# Altium PCB Kasli-DIOT.PCBDOC (part 12 of 21) (continued)
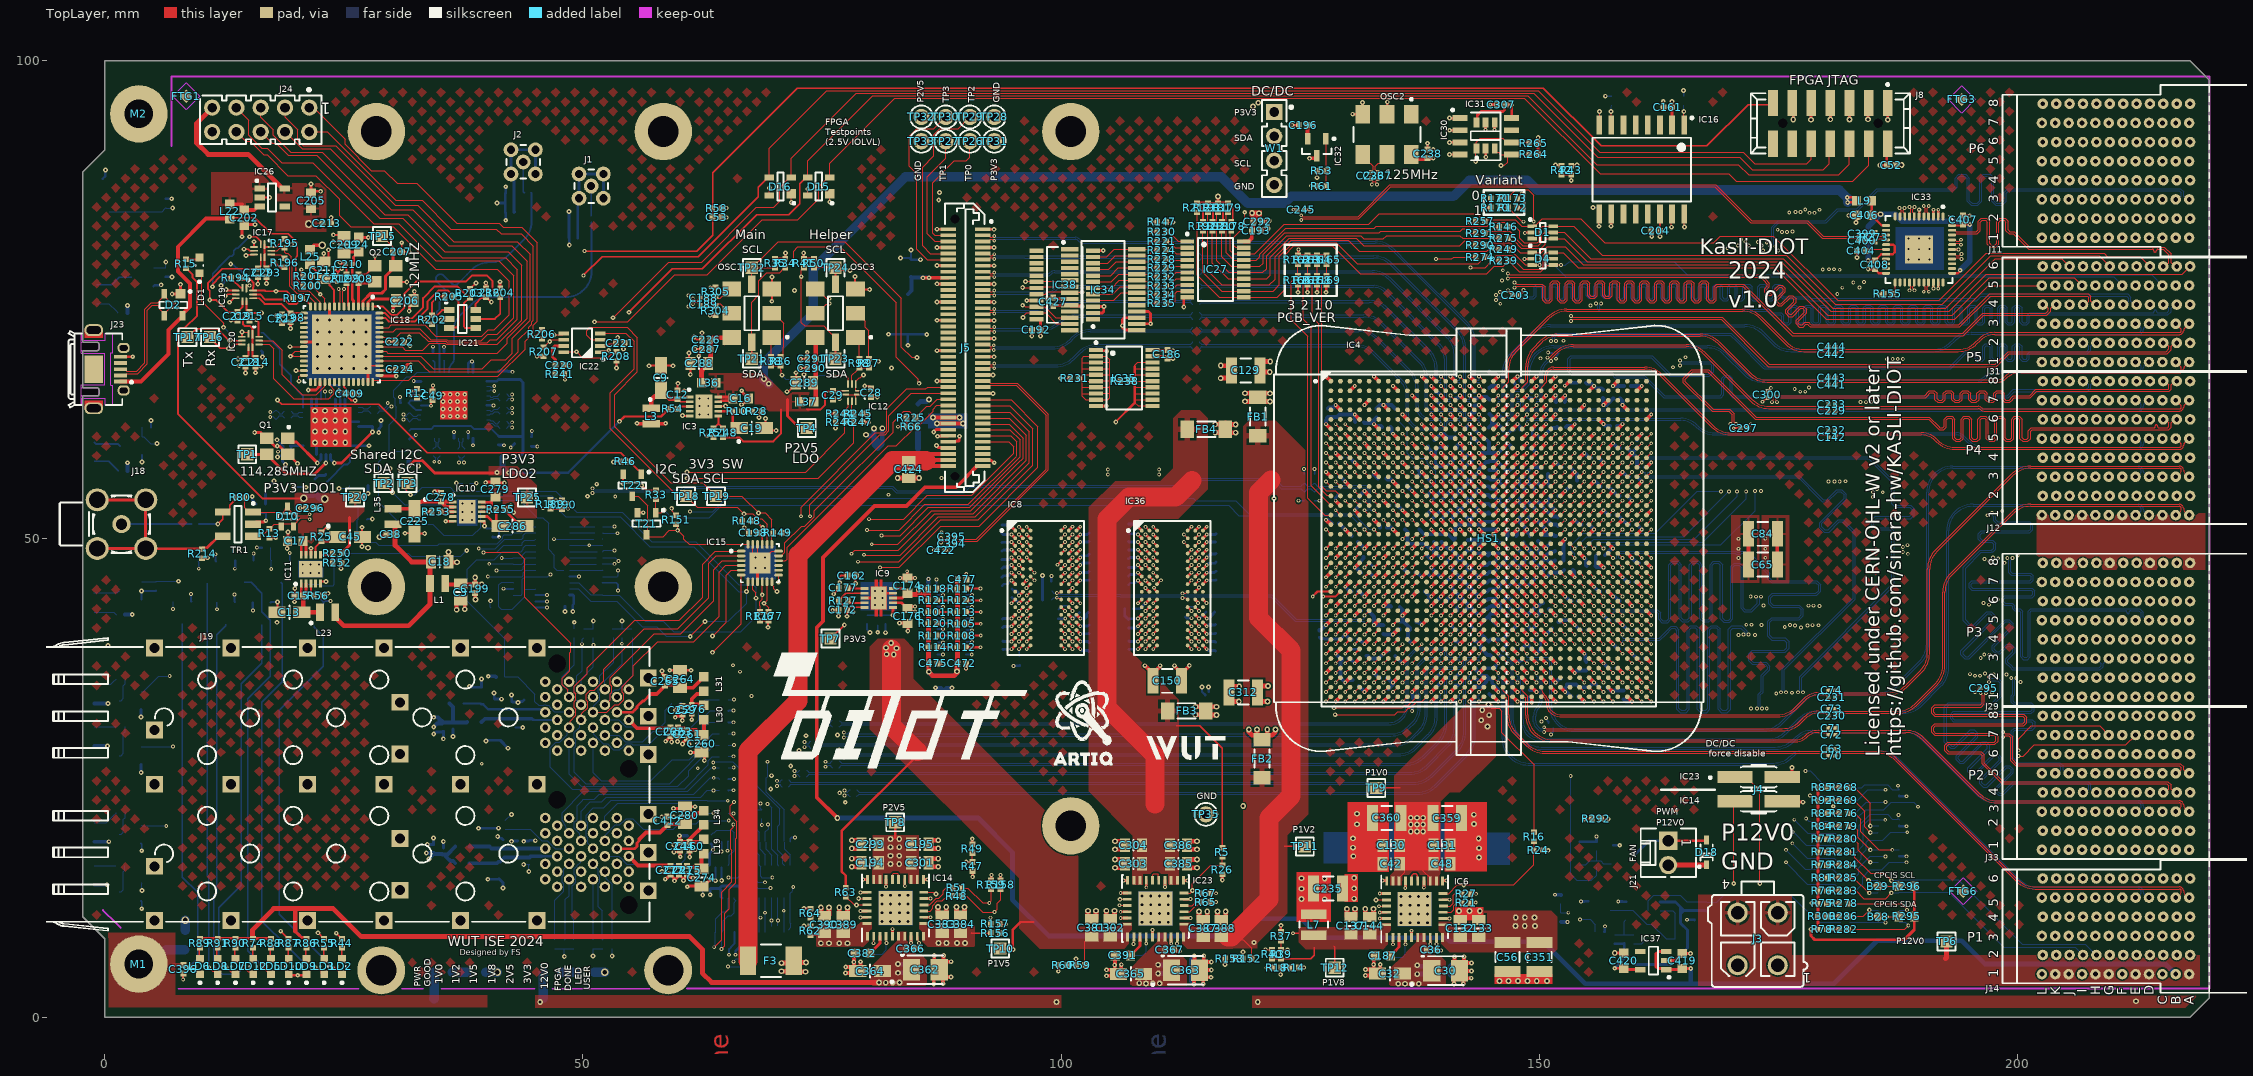
[diagram p0: TopLayer view]
## Nets (pads, with @x,y where several pads share a name; then routed paths per layer and width w, separated by ;. In a path a pad name is that pad's centre, name@x,y a point inside that pad or via, vN(x,y) a via of type N, cw(c..) or ccw(c..) an arc to the next point about the centre after c; other vN are vias at no path point) (continued)
  BottomLayer w0.5: v4(79.6,60.9) 79.627,60.9 79.727,60.8 80.325,60.8 F4.1@80.425,60.7 ; v4(80.425,61.55) F4.1@80.425,60.7 ; v4(81.3,61.575) 81.3,59.925 F4.1@80.825,59.45 ; F4.1@80.425,60.7 80.425,59.85 F4.1@80.825,59.45 ; F4.1@80.425,60.7 80.825,60.3 F4.1@80.825,59.45
  other v2: 53.631,71.067
  other v3: 74.874,7.725 75.724,7.725 76.799,7.725 77.649,7.725
P3V3_ADCLK: C190.2 C191.2 C234.2 C239.2 C241.2 C242.2 C243.2 IC1.12 IC1.34 IC1.44 L29.1 | length 24.6
  BottomLayer w0.2: C191.2@31.875,61.35 32.022,61.497 34.122,61.497 34.45,61.825 38.275,61.825 38.622,61.478 IC1.44@39.95,61.478 39.957,61.471 40.454,61.471 C190.2@41.175,60.75
  BottomLayer w0.254: IC1.34@39.95,66.478 40.976,66.478 C243.2@41.16,66.662
  BottomLayer w0.3: C243.2@41.16,66.662 C234.2@42.1,66.662 43.438,66.662 43.735,66.365 C239.2@43.735,60.692 ; C190.2@41.175,60.75 41.204,60.721 43.706,60.721 C239.2@43.735,60.692 ; L29.1@43.2,58.45 43.717,58.967 C241.2@43.717,59.74 ; C241.2@43.735,59.758 C239.2@43.735,60.692
P3V3_fused: C425.2 F4.2 J5.64 J5.66 | length 9.9
  TopLayer w0.4: v4(86.609,62.69) 86.616,62.697 J5.64@88.2,62.697 89.373,62.697 v4(89.375,62.7) ; v4(87.025,62.075) 87.037,62.062 J5.66@88.2,62.062 89.713,62.062 v4(89.725,62.075)
  BottomLayer w0.6: F4.2@85.025,59.45 C425.2@85.025,62.3 85.037,62.312 86.563,62.312 86.6,62.275
P3V3_LDO1: C17.2 IC11.9 IC11.10 L2.2 R15.2 R22.1 R250.2 TP20.1 | length 44.1
  TopLayer w0.2: R15.2@8.494,78.296 8.514,78.296 9.177,77.633 9.177,77.323 9.65,76.85 9.65,73.35 8.382,72.082 7.958,72.082 7.65,71.774 7.65,63.075 16.475,54.25 v7@20.42,54.25
  TopLayer w0.3: IC11.10@20.55,48.337 20.55,49.625 C17.2@20.725,49.8 21.05,49.475 IC11.9@21.05,48.337 ; R250.2@24.773,48.515 24.773,48.535 25.586,49.348 25.586,52.233
  BottomLayer w0.2: v7(23,54.175) 23.031,54.206 23.031,54.866 23.221,55.056 R22.1@23.241,55.056
  BottomLayer w0.6: v7(20.8,54.25) 20.854,54.25 21.18,54.576 21.771,54.576 L2.2@21.971,54.776 22.534,54.213 22.962,54.213 v7(23,54.175)
P3V3_LDO2: C279.2 IC10.9 IC10.10 L29.2 R4.2 R54.1 R242.2 R254.2 TP25.1 | length 46.5
  TopLayer w0.25: IC10.9@39.4,53.35 39.425,53.375 40.278,53.375 40.45,53.547 C279.2@40.45,54.023 ; IC10.10@39.4,53.85 40.436,53.85 ; v2(53.825,62.3) 54.335,62.81 58.16,62.81 58.93,63.58 R54.1@58.93,63.6
  TopLayer w0.3: v2(31.791,57.601) 32.39,58.2 33.2,58.2 34.5,56.9 40.569,56.9
  Layer 5 w0.3: v1(30.875,64.85) 31.791,63.934 v2(31.791,57.601)
  BottomLayer w0.25: v1(30.875,64.85) 30.903,64.822 30.903,64.253 R4.2@30.93,64.225 ; R254.2@40.943,52.947 41.108,52.782 41.267,52.782 41.275,52.775 v2(42.766,52.775) ; v2(42.2,56.925) 48.45,56.925 v2(53.825,62.3)
  BottomLayer w0.5: v2(31.791,57.601) 31.791,58.221 R242.2@31.8,58.23 ; v2(41.025,56.95) 41.525,57.45 41.525,58.575 41.65,58.7 41.675,58.675 41.675,57.45 v2(42.2,56.925)
P3V3_MP: C397.2 C420.2 IC37.5 R93.2 R258.2 R259.2 | length 24.6
  TopLayer w0.3: v2(157.881,5.115) C420.2@158.81,5.115 158.96,4.965 IC37.5@160.56,4.965
  BottomLayer w0.3: v2@157.881,5.141 159.115,6.375 ; R93.2@157.91,7.679 158.865,7.679 C397.2@158.875,7.689 158.875,6.7 159.157,6.418 159.285,6.29 160.075,5.5 163.736,5.5 165.475,7.239 165.475,9.106 164.753,9.828 164.753,10.82 ; R259.2@162.625,12.045 164.222,12.045 164.753,11.514 ; R258.2@167.48,11.088 167.401,11.167 165.1,11.167 ; 164.753,10.82 164.753,11.514 ; 164.753,10.82 165.1,11.167 ; 164.753,11.514 165.1,11.167
P3V3_USB: C205.2 C213.2 C214.2 C215.2 C216.2 C222.2 C223.2 C224.2 C293.2 C409.2 IC17.1 IC17.7 IC17.10 IC18.16 IC18.36 IC18.44 IC18.50 IC19.7 IC19.10 IC20.1 IC20.7 IC21.6 IC26.5 J24.9 L24.1 L25.1 R194.2 R195.2 R196.2 R197.2 R198.2 R202.2 R203.2 R204.2 R206.2 R207.2 R241.1 | length 59.5
  TopLayer w0.2: R194.2@14.17,77.3 14.17,77.28 14.36,77.09 14.437,77.09 14.477,77.05 15.3,77.05 15.55,76.8 15.55,76.334 15.505,76.289 IC19.10@15.505,75.965 16.737,75.965 16.802,75.9 v2(17.9,75.9) 19.007,75.9 R197.2@19.723,75.184 ; IC19.7@14.805,74.865 14.805,73.937 C215.2@15.113,73.629 ; C214.2@15.748,68.803 15.44,69.111 IC20.7@15.44,70.039 IC20.1@15.44,71.389 15.44,72.01 15.2,72.25 14.659,72.25 14.473,72.436 14.473,73.131 14.567,73.225 14.567,73.249 14.684,73.366 14.752,73.366 14.903,73.517 14.903,73.519 15.013,73.629 C215.2@15.113,73.629 ; v2(16.399,73.629) C215.2@15.113,73.629 ; IC17.1@16.71,80.787 IC17.7@16.71,79.437 16.71,78.509 C293.2@16.922,78.298 ; IC17.1@16.729,80.537 IC17.10@17.41,80.537 17.964,80.537 R195.2@18.796,81.369 19.479,80.686 19.525,80.733 v2(19.525,80.775) ; C293.2@16.925,78.301 17.135,78.511 17.211,78.511 v2(17.7,79) 18.303,78.397 R196.2@18.796,78.397 ; IC18.36@25.015,66.408 25.015,65.885 25.25,65.65 25.25,65.1 25.36,64.99 25.36,64.89 25.764,64.486 v2(26.181,64.486) ; IC18.44@28.715,67.608 v2(29.718,67.608) C224.2@30.467,67.608 ; IC18.50@28.715,70.608 29.714,70.608 v2(29.718,70.612) C222.2@30.511,70.612 ; v2@33.481,73.056 R202.2@34.153,72.383 ; R203.2@38.175,76.07 38.175,76.15 38.784,76.759 v2(38.817,76.759) ; IC21.6@38.8,73.95 38.77,73.98 38.77,74.59 39.386,75.206 39.785,75.206 C216.2@39.879,75.3 40.417,74.762 v2(40.422,74.762) ; v1(45,71.125) 45,71.201 45.694,71.895 R206.2@45.714,71.895 R206.2@45.684,71.925 ; v1(45.2,69.075) 45.213,69.088 45.872,69.088 R207.2@45.885,69.101 ; R241.1@48.052,67.233 48.089,67.197 48.089,66.686 v1(48.125,66.65)
  TopLayer w0.3: C223.2@18.542,72.675 19.424,72.675 R198.2@19.431,72.682 ; v2(19.431,72.009) R198.2@19.431,72.682 ; IC18.16@20.815,73.108 20.158,73.108 19.872,72.822 19.571,72.822 R198.2@19.431,72.682 ; L24.1@26.543,81.522 v2(27.547,81.522) ; v2(41.32,76.89) 41.335,76.875 41.335,76.177 R204.2@41.35,76.162
  TopLayer w0.4: v7(22.731,80.711) 21.874,80.711 L25.1@21.463,80.3 ; L25.1@21.463,80.3 21.415,80.3 L25.1@21.463,80.252 L25.1@21.463,80.3
  TopLayer w0.5: J24.9@11.227,95.098 9.6,93.471 9.6,91.4 10.8,90.2 15,90.2 18.55,86.65 IC26.5@18.8,86.65
  other v2: 33.425,73
  other v7: 21.336,82.931
P5V0_CLK: C3.2 C199.2 C383.2 C384.2 IC14.1 IC14.32 L1.1 R156.2 | length 6.6
  TopLayer w0.15: 90.6,8.85 90.65,8.8 R156.2@92.63,8.8
  TopLayer w0.4: L1.1@35.607,45.343 35.707,45.243 C199.2@38.732,45.243 ; C199.2@38.732,45.221 C199.2@38.743,45.232 ; v3@38.732,45.906 C199.2@38.732,45.243 ; v3(39.416,45.243) 39.405,45.232 C199.2@38.743,45.232 ; C199.2@38.732,45.243 C199.2@38.743,45.232
  other v3: 87.172,7.765 88.022,7.765 89.097,7.765 89.947,7.765 38.73,45.967
P5V0_CLKa: C18.2 C38.2 L1.2 L23.1 L35.1 | length 23
  TopLayer w0.5: L23.1@24.1,42.337 24.25,42.187 24.25,41.675 25,40.925 31.775,40.925 34.007,43.157 L1.2@34.007,45.343 ; L35.1@30.15,51.55 30.35,51.35 C38.2@30.35,50.498 ; C38.2@30.352,50.486 30.322,50.456 30.35,50.428 30.35,49.325 32.075,47.6 C18.2@34.125,47.6 34.003,47.478 L1.2@34.003,45.347
P5V0_MP: C419.2 IC37.1 IC37.3 J5.79 J14.B1 | length 211.3
  TopLayer w0.3: 162.71,6.881 162.439,6.881 162.21,6.652 162.21,5.266 162.386,5.09 163.135,5.09 IC37.1@163.26,4.965 164.821,4.965 164.942,5.086 v2(165.827,5.086)
  TopLayer w0.4: v3(76.6,20.825) 74.45,22.975 74.45,40.75 75.1,41.4 75.1,48.078 80.485,53.463 83.813,53.463 85.75,55.4 89.028,55.4 90.237,56.609 90.237,56.655 91.2,57.617 J5.79@91.8,57.617
  BottomLayer w0.5: v3(76.6,20.825) 91.32,20.825 94.904,17.241 94.904,12.296 98.7,8.5 118.198,8.5 119.998,10.301 125.125,10.301 127.126,8.3 140.286,8.3 140.7,7.886 150.414,7.886 154.8,3.5 165.823,3.5 ; v2(165.827,5.086) 165.823,5.081 165.823,3.5 ; J14.B1@216.539,4.5 215.489,5.55 196.6,5.55 194.15,8 185.3,8 180.8,3.5 165.823,3.5
P12V0: C22.2 C27.2 C30.1 C32.1 C36.2 C40.2 C362.1 C363.1 C364.1 C365.1 C366.2 C367.2 D18.1 F3.1 IC6.28 IC6.29 IC14.28 IC14.29 IC23.28 IC23.29 J3.3 J3.4 J14.A1 J14.D1 J14.E1 J14.G1 J14.H1 J14.J1 J14.K1 J21.2 R14.2 R74.2 R86.2 R88.2 R89.2 R90.2 R91.2 TP6.1 | length 106
  TopLayer w0.254: R14.2@124.82,5.2 124.824,5.196 125.386,5.196 v1(125.39,5.192)
  TopLayer w0.3: R89.2@9.864,8.217 R89.2@9.956,8.217 R91.2@11.811,8.217 R90.2@13.667,8.217 15.452,8.217 R74.2@15.522,8.217 R88.2@17.314,8.217 ; 19.925,8.973 20.275,8.623 20.567,8.331 20.975,8.331 R86.2@21.089,8.217
  TopLayer w0.5: R74.2@15.452,8.217 15.452,9.152 17.657,11.357 23.893,11.357 26.825,8.425 61.157,8.425 62.494,7.088 62.494,4.589 63.45,3.633 v3(80.962,3.633) ; 19.925,8.973 19.925,11.307 ; v4(70.75,4.8) 71.45,4.8 F3.1@72.05,5.4 ; v4(70.75,5.65) 71.8,5.65 F3.1@72.05,5.9 ; v4(73.275,4.75) 72.65,4.75 72.05,5.35 F3.1@72.05,5.4 ; v4(73.325,5.725) 72.225,5.725 F3.1@72.05,5.9 ; J21.2@163.472,15.905 D18.1@167.475,15.905 ; 192.475,6.125 192.575,6.225 TP6.1@192.575,7.925 ; F3.1@72.05,5.4 F3.1@72.05,5.9
  BottomLayer w0.5: v3(82.937,4.633) 82.942,4.638 83.987,4.638 84.016,4.666 84.191,4.666 84.466,4.941 C22.2@84.466,5.116 84.466,5.264 84.191,5.539 82.957,5.539 v3(82.937,5.558) ; v3(110.138,4.558) 110.157,4.577 110.977,4.577 111,4.6 111.175,4.6 111.45,4.875 C40.2@111.45,5.05 111.45,5.189 111.175,5.464 110.157,5.464 v3(110.138,5.483) ; v3(137.225,4.5) 137.244,4.519 138.275,4.519 138.55,4.794 C27.2@138.55,4.875 138.55,5.05 138.275,5.325 137.352,5.325 137.252,5.425 v3(137.225,5.425)
  other v3: 135.25,3.5 135.95,3.5 136.675,3.5 137.387,3.5 108.863,3.533 109.588,3.533 110.3,3.54 108.163,3.558 81.662,3.608 82.387,3.608 83.1,3.615
P12V0_fused: C424.2 F3.2 J5.76 J5.78 J5.80 | length 69.5
  TopLayer w0.4: 85.7,58.175 86.412,58.887 J5.76@88.2,58.887 ; 85.85,58.175 86.408,57.617 J5.80@88.2,57.617 ; 86.332,58.043 86.332,58.146 86.332,58.369 86.332,58.374 ; 86.438,58.146 86.597,58.146 86.703,58.252 J5.78@88.2,58.252
  TopLayer w2: F3.2@67.25,5.9 67.25,27.825 72.5,33.075 72.5,48.3 82.375,58.175 C424.2@84.075,58.175 85.85,58.175
PCIe_rst: IC4.AJ11 J5.54 | length 113.2
  TopLayer w0.127: v6(72.8,52.375) 72.8,53.302 80.584,61.086 80.913,61.086 80.938,61.112 81.492,61.112 81.763,61.383 81.763,61.937 81.763,63.611 83.836,65.684 85.854,65.684 86.043,65.872 J5.54@88.2,65.872 ; v1(137.7,38) IC4.AJ11@138.2,38.5
  Layer 6 w0.127: v6(72.8,52.375) 72.8,48.855 70.864,46.919 70.864,40.556 80.82,30.6 134.6,30.6 135.938,31.938 135.938,32.372 136.326,32.76 136.326,37.411 136.914,38 v1(137.7,38)
PCIe_Wake: IC4.AJ9 J5.56 | length 109.9
  TopLayer w0.127: v6(73.725,52.375) 73.725,53.578 81.032,60.885 81.586,60.885 81.99,61.289 81.99,62.9 84.327,65.237 J5.56@88.2,65.237 ; v1(135.7,38) IC4.AJ9@136.2,38.5
  Layer 6 w0.127: v6(73.725,52.375) 73.725,49.25 71.179,46.704 71.179,40.771 80.975,30.975 134.22,30.975 136.068,32.823 136.068,37.632 v1(135.7,38)
PWR_Cycle_REQ: IC4.AM1 R261.2 T5.1 | length 48.5
  TopLayer w0.127: v1(127.7,35) IC4.AM1@128.2,35.5
  Layer 3 w0.127: v1(127.7,35) 128.228,34.472 128.742,34.472 129.219,33.996 129.219,28.181 134.9,22.5 149.075,22.5 155.293,16.282 155.293,11.268 v1(154.25,10.225)
  BottomLayer w0.127: v1(154.25,10.225) T5.1@155.1,10.225 155.3,10.225 155.855,9.67 R261.2@155.855,8.925
PWR_SCL: R27.1 R51.1 R67.1 R159.1 W1.3 | length 196.9
  TopLayer w0.1: R67.1@115.6,12.961 116.164,12.961 v1(116.175,12.95) ; R27.1@142.8,12.886 142.814,12.9 v1(143.375,12.9)
  TopLayer w0.127: R51.1@89.603,13.5 90.225,13.5 91.788,11.937 v1(92.487,11.937) 92.704,12.154 R159.1@92.704,13.519
  Layer 5 w0.127: W1.3@122.329,89.55 117.15,89.55 114.1,86.5 108.075,86.5 104.475,82.9 92.915,82.9 91.7,81.685 91.7,80.025 86.858,75.183 86.854,75.183 86.612,74.941 86.612,74.937 85.385,73.71 85.385,68.195 84.511,67.322 84.511,50.987 83.45,49.925 78.625,49.925 75.653,46.953 71.053,46.953 69.731,45.631 69.731,43.956 71.575,42.112 71.575,27.625 73.4,25.8 73.4,17.6 75.975,15.025 88.675,15.025 91.763,11.937 v1(92.487,11.937) 99.925,11.937 102.651,14.663 108.717,14.663 108.741,14.64 110.992,14.64 111.016,14.663 111.962,14.663 112.862,13.763 114.587,13.763 115.4,12.95 v1(116.175,12.95) 119.225,12.95 121.875,15.6 133,15.6 134.125,14.475 139.425,14.475 140,13.9 140.8,13.9 141.8,12.9 v1(143.375,12.9)
PWR_SDA: R21.1 R48.1 R65.1 R158.1 W1.2 | length 205.4
  TopLayer w0.1: R65.1@115.6,12.033 115.617,12.05 v1(116.175,12.05) ; R21.1@142.8,11.954 142.821,11.975 v1(143.35,11.975)
  TopLayer w0.127: R48.1@89.562,12.625 90.15,12.625 91.788,10.987 v1(93.012,10.987) 93.325,11.3 93.325,11.925 93.669,12.269 R158.1@93.669,13.385
  Layer 5 w0.127: W1.2@122.275,92.1 115.933,92.1 115.183,91.35 110.8,91.35 103.1,83.65 90.905,83.65 89.375,82.12 89.375,79.888 82.425,72.938 82.425,69.764 83.474,68.715 83.474,52.574 82.5,51.6 78.495,51.6 74.385,47.49 70.737,47.49 69.425,46.178 69.425,43.322 70.275,42.472 70.275,26.025 71.4,24.9 71.4,15.8 74.039,13.162 78.62,13.162 78.871,13.413 81.448,13.413 81.549,13.311 88.889,13.311 91.213,10.987 v1(93.012,10.987) 93.421,11.396 101.404,11.396 104.2,8.6 110.9,8.6 114.35,12.05 v1(116.175,12.05) 116.186,12.05 116.391,11.845 120.245,11.845 123.525,15.125 130.825,15.125 132.4,13.55 133.75,13.55 134.2,13.1 140.55,13.1 141.675,11.975 v1(143.35,11.975)
Reset_N: IC35.2 IC35.3 IC35.4 IC35.5 IC35.6 IC35.7 IC35.8 IC35.9 R231.2 R238.1 | length 41.7
  TopLayer w0.127: IC35.9@103.066,64.572 104.871,64.572 105.066,64.767 105.066,65.226 ; IC35.8@103.066,65.222 105.062,65.222 105.066,65.226 ; IC35.7@103.066,65.872 104.987,65.872 105.066,65.951 ; IC35.6@103.066,66.522 105.055,66.522 105.066,66.533 ; IC35.5@103.066,67.172 104.986,67.172 105.066,67.092 ; IC35.4@103.066,67.822 105.04,67.822 105.066,67.796 ; IC35.3@103.066,68.472 105.066,68.472 ; IC35.2@103.066,69.122 104.664,69.122 105.066,68.72 105.066,68.472 ; IC35.9@104.178,64.545 102.58,64.545 102.178,64.947 102.178,65.195 ; IC35.8@104.178,65.195 102.178,65.195 ; IC35.7@104.178,65.845 102.204,65.845 102.178,65.871 ; IC35.6@104.178,66.495 102.258,66.495 102.178,66.575 ; IC35.5@104.178,67.145 102.189,67.145 102.178,67.134 ; IC35.4@104.178,67.795 102.257,67.795 102.178,67.716 ; IC35.3@104.178,68.445 102.182,68.445 102.178,68.441 ; IC35.2@104.178,69.095 102.373,69.095 102.178,68.9 102.178,68.441 ; R238.1@106.177,66.515 105.085,66.515 105.066,66.533 ; 102.178,65.195 102.178,65.871 ; 102.178,65.871 102.178,66.575 ; 102.178,66.575 102.178,67.134 ; 102.178,67.134 102.178,67.716 ; 102.178,67.716 102.178,68.441 ; 105.066,65.226 105.066,65.951 ; 105.066,65.951 105.066,66.533 ; 105.066,66.533 105.066,67.092 ; 105.066,67.092 105.066,67.796 ; 105.066,67.796 105.066,68.472
Reset_Nb: IC34.6 IC38.18 R231.1 | length 20.3
  TopLayer w0.127: v2(96.275,76.925) 97.397,76.925 IC38.18@97.436,76.886 97.513,76.962 100.813,76.962 IC34.6@100.886,77.036 ; v2@99.947,66.798 R231.1@100.923,66.798
  Layer 3 w0.127: v2(96.275,76.925) 95.537,76.925 95.287,76.675 95.287,75.019 95.203,74.936 95.203,68.624 97.021,66.806 v2(99.939,66.806)
RESETn: IC32.1 R53.1 R61.1 | length 5
  TopLayer w0.127: IC32.1@127.675,91.85 127.695,91.83 R61.1@127.695,86.9
RxD_2V5: IC4.T10 IC20.5 TP16.1 | length 146.1
  TopLayer w0.095: v1(136.7,52) IC4.T10@137.2,51.5
  TopLayer w0.15: TP16.1@10.9,71.1 12.075,69.925 v2(12.925,69.925) 13.25,69.925 13.45,70.125 13.664,70.339 IC20.5@14.34,70.339
  Layer 3 w0.1: v2(12.925,69.925) 18.143,69.925 22.018,73.8 28.793,73.8 29.341,74.347 31.003,74.347 31.178,74.172 31.178,72.522 34.025,69.675 43.175,69.675 44.477,68.373 47.677,68.373 51.125,64.925 61.3,64.925 66.35,69.975 73.636,69.975 73.661,69.95 77.625,69.95 80.15,67.425 81.741,67.425 82.191,67.875 v2(82.25,67.875)
  layer 8 w0.095: v2(82.25,67.875) 86.875,67.875 90.075,64.675 100.125,64.675 106.538,58.262 119.512,58.262 125.225,52.55 126,52.55 127.075,51.475 132.624,51.475 132.802,51.653 132.844,51.653 132.891,51.7 133.047,51.856 133.047,51.898 133.699,52.55 136.15,52.55 v1(136.7,52)
S0_RX_N: C77.1 J5.39 | length 22.8
  TopLayer w0.095: J5.39@91.8,70.317 92.4,70.317 92.607,70.111 92.743,70.111 92.882,70.25 v6(92.95,70.25)
  BottomLayer w0.095: v6(92.95,70.25) 93.019,70.25 93.158,70.111 99.095,70.111 ccw(c99.095,72.651) 100.891,70.855 101.104,71.068 cw(c103.055,69.117) 101.106,71.07 cw(c103.055,69.117) 103.055,71.876 113.464,71.876 ccw(c113.464,72.026) 113.57,71.92 ccw(c113.541,71.949) 113.581,71.949 113.716,72.084 cw(c113.759,72.041) C77.1@113.759,72.101
S0_RX_P: C41.1 J5.41 | length 22.8
  TopLayer w0.095: J5.41@91.8,69.682 92.4,69.682 92.607,69.889 92.743,69.889 92.882,69.75 v6(92.95,69.75)
  BottomLayer w0.095: v6(92.95,69.75) 93.019,69.75 93.158,69.889 99.096,69.889 ccw(c99.096,72.648) 101.047,70.697 101.26,70.91 cw(c103.056,69.114) 103.056,71.654 113.464,71.654 cw(c113.464,71.505) 113.57,71.611 cw(c113.541,71.582) 113.581,71.582 113.716,71.447 ccw(c113.759,71.49) C41.1@113.759,71.429
S0_TX_N: C100.2 J5.27 | length 22.5
  TopLayer w0.095: J5.27@91.8,74.127 92.4,74.127 92.607,73.921 92.792,73.921 92.931,74.06 v6(93,74.06)
  BottomLayer w0.095: v6(93,74.06) 93.069,74.06 93.208,73.921 97.355,73.921 ccw(c97.355,76.461) 99.151,74.665 ; 99.152,74.666 cw(c99.872,73.945) 99.153,74.667 cw(c99.872,73.945) 99.872,74.964 113.464,74.964 ccw(c113.464,75.114) 113.57,75.008 ccw(c113.541,75.037) 113.581,75.037 113.716,75.171 cw(c113.759,75.129) C100.2@113.759,75.189
S0_TX_P: C54.2 J5.29 | length 22.5
  TopLayer w0.095: J5.29@91.8,73.492 92.4,73.492 92.607,73.699 92.792,73.699 92.931,73.56 v6(93,73.56)
  BottomLayer w0.095: v6(93,73.56) 93.069,73.56 93.208,73.699 97.356,73.699 ccw(c97.356,76.458) 99.307,74.507 ; 99.308,74.508 cw(c99.875,73.94) 99.875,74.742 113.464,74.742 cw(c113.464,74.593) 113.57,74.698 cw(c113.541,74.67) 113.581,74.67 113.716,74.535 ccw(c113.759,74.578) C54.2@113.759,74.517
S0C_RX_N: C77.2 IC4.E13 | length 31.9
  TopLayer w0.095: v1(139.7,63) IC4.E13@140.2,62.5
  BottomLayer w0.095: C77.2@114.459,72.101 cw(c114.459,72.041) 114.502,72.084 114.625,71.961 cw(c114.596,71.932) 114.636,71.932 114.664,71.904 ccw(c114.731,71.971) 114.731,71.876 131.107,71.876 cw(c131.107,69.121) 133.056,71.069 136.595,67.53 cw(c134.833,65.767) 137.326,65.767 137.326,63.914 ccw(c138.629,63.914) 137.707,62.993 ccw(c138.629,63.914) 138.629,62.611 139.644,62.611 139.7,62.667 v1(139.7,63)
S0C_RX_P: C41.2 IC4.F13 | length 31.9
  TopLayer w0.095: v1(139.7,62) IC4.F13@140.2,61.5
  BottomLayer w0.095: C41.2@114.459,71.429 ccw(c114.459,71.49) 114.502,71.447 114.625,71.57 ccw(c114.596,71.599) 114.636,71.599 114.664,71.627 cw(c114.731,71.559) 114.731,71.654 131.105,71.654 cw(c131.105,69.114) 132.901,70.91 136.373,67.438 cw(c134.611,65.675) 136.374,67.437 cw(c134.611,65.675) 137.104,65.675 137.104,63.822 ccw(c138.407,63.822) 137.485,62.901 137.55,62.836 ; 137.551,62.835 ccw(c138.629,63.914) 138.629,62.389 139.644,62.389 139.7,62.333 v1(139.7,62)
S0C_TX_N: C100.1 IC4.A13 | length 30.8
  TopLayer w0.095: v1(139.7,67) IC4.A13@140.2,66.5
  BottomLayer w0.095: C100.1@114.569,75.037 114.636,75.037 114.636,75.016 ccw(c114.687,75.016) 114.651,74.98 ; 114.651,74.98 114.664,74.967 ccw(c114.731,75.034) 114.731,74.939 132.194,74.939 cw(c132.194,72.183) 134.143,74.132 138.515,69.76 cw(c136.573,67.818) 138.516,69.759 cw(c136.573,67.818) 139.319,67.818 139.319,66.681 139.389,66.611 139.644,66.611 139.7,66.667 v1(139.7,67)
S0C_TX_P: C54.1 IC4.B13 | length 31
  TopLayer w0.095: v1(139.7,66) IC4.B13@140.2,65.5
  BottomLayer w0.095: C54.1@114.459,74.517 cw(c114.542,74.517) 114.483,74.576 114.624,74.717 132.192,74.717 cw(c132.192,72.177) 133.988,73.973 138.353,69.608 cw(c136.557,67.812) 139.097,67.812 139.097,66.589 139.297,66.389 139.644,66.389 139.7,66.333 v1(139.7,66)
S1_RX_N: C392.1 J5.45 | length 22.9
  TopLayer w0.095: J5.45@91.8,68.412 92.4,68.412 92.607,68.206 92.792,68.206 92.931,68.345 v6(93,68.345)
  BottomLayer w0.095: v6(93,68.345) 93.069,68.345 93.208,68.206 99.415,68.206 ccw(c99.415,70.746) 101.211,68.95 101.785,69.524 cw(c103.736,67.573) 101.787,69.526 cw(c103.736,67.573) 103.736,70.332 113.464,70.332 ccw(c113.464,70.482) 113.57,70.376 ccw(c113.541,70.405) 113.581,70.405 113.716,70.54 cw(c113.759,70.497) C392.1@113.759,70.557
S1_RX_P: C141.1 J5.47 | length 22.9
  TopLayer w0.095: J5.47@91.8,67.777 92.4,67.777 92.607,67.984 92.792,67.984 92.931,67.845 v6(93,67.845)
  BottomLayer w0.095: v6(93,67.845) 93.069,67.845 93.208,67.984 99.416,67.984 ccw(c99.416,70.743) 101.367,68.792 101.942,69.367 cw(c103.738,67.57) 103.738,70.11 113.464,70.11 cw(c113.464,69.961) 113.57,70.067 cw(c113.541,70.038) 113.581,70.038 113.716,69.903 ccw(c113.759,69.946) C141.1@113.759,69.886
S1_TX_N: C393.2 J5.21 | length 22.4
  TopLayer w0.095: J5.21@91.8,76.032 92.4,76.032 92.607,75.826 92.792,75.826 92.931,75.965 v6(93,75.965)
  BottomLayer w0.095: v6(93,75.965) 93.069,75.965 93.208,75.826 98.544,75.826 ccw(c98.544,76.837) 99.259,76.122 cw(c100.191,75.191) 100.191,76.508 113.464,76.508 ccw(c113.464,76.657) 113.57,76.552 ccw(c113.541,76.581) 113.581,76.581 113.716,76.715 cw(c113.759,76.673) C393.2@113.759,76.733
S1_TX_P: C157.2 J5.23 | length 22.4
  TopLayer w0.095: J5.23@91.8,75.397 92.4,75.397 92.607,75.604 92.792,75.604 92.931,75.465 v6(93,75.465)
  BottomLayer w0.095: v6(93,75.465) 93.069,75.465 93.208,75.604 98.547,75.604 ccw(c98.547,76.831) 99.414,75.963 99.416,75.965 cw(c100.191,75.19) 100.191,76.286 113.464,76.286 cw(c113.464,76.137) 113.57,76.242 cw(c113.541,76.214) 113.581,76.214 113.716,76.079 ccw(c113.759,76.121) C157.2@113.759,76.061
S1C_RX_N: C392.2 IC4.E15 | length 34.3
  TopLayer w0.095: v1(141.7,63) IC4.E15@142.2,62.5
  BottomLayer w0.095: C392.2@114.459,70.557 cw(c114.459,70.497) 114.502,70.54 114.625,70.417 cw(c114.596,70.388) 114.636,70.388 114.664,70.36 ccw(c114.731,70.427) 114.731,70.332 130.776,70.332 cw(c130.776,67.577) 132.725,69.525 135.764,66.486 cw(c134.47,65.192) 136.3,65.192 136.3,63.118 ccw(c137.793,63.118) 136.737,62.063 ccw(c137.793,63.118) 137.793,61.626 139.855,61.626 140.103,61.874 140.103,62.247 140.467,62.611 141.604,62.611 141.7,62.707 v1(141.7,63)
S1C_RX_P: C141.2 IC4.F15 | length 34.3
  TopLayer w0.095: v1(141.7,62) IC4.F15@142.2,61.5
  BottomLayer w0.095: C141.2@114.459,69.886 ccw(c114.459,69.946) 114.502,69.903 114.625,70.026 ccw(c114.596,70.055) 114.636,70.055 114.664,70.083 cw(c114.731,70.015) 114.731,70.11 130.773,70.11 cw(c130.773,67.57) 132.57,69.367 135.542,66.394 ; 135.543,66.393 cw(c134.248,65.1) 136.078,65.1 136.078,63.026 ccw(c137.571,63.026) 136.515,61.971 136.58,61.906 ccw(c137.793,63.118) 136.582,61.904 ccw(c137.793,63.118) 137.79,61.403 ccw(c137.793,63.118) 137.793,61.403 139.947,61.403 140.325,61.782 140.325,62.155 140.559,62.389 141.231,62.389 141.644,62.389 141.7,62.333 v1(141.7,62)
S1C_TX_N: C393.1 IC4.C14 | length 35
  TopLayer w0.095: v1(140.7,65) IC4.C14@141.2,64.5
  BottomLayer w0.095: C393.1@114.459,76.733 114.633,76.581 114.635,76.576 ccw(c114.723,76.612) 114.655,76.545 114.664,76.536 ccw(c114.731,76.603) 114.731,76.508 119.9,76.523 132.628,76.523 132.719,76.523 ccw(c132.744,76.614) 132.738,76.52 cw(c132.627,74.559) 133.935,76.023 ccw(c133.998,76.095) 133.95,76.013 134.015,75.948 ; 134.016,75.947 139.6,70.363 ccw(c139.68,70.414) 139.61,70.351 cw(c137.626,68.519) 140.291,68.949 ccw(c140.385,68.965) 140.291,68.948 cw(c138.456,68.592) 140.292,68.944 cw(c138.456,68.592) 140.325,68.592 140.325,64.725 140.44,64.611 140.644,64.611 140.7,64.667 v1(140.7,65)
S1C_TX_P: C157.1 IC4.D14 | length 35
  TopLayer w0.095: v1(140.7,64) IC4.D14@141.2,63.5
  BottomLayer w0.095: C157.1@114.459,76.061 114.633,76.214 114.635,76.218 cw(c114.723,76.182) 114.656,76.25 114.664,76.258 cw(c114.731,76.191) 114.732,76.286 119.9,76.301 132.627,76.301 cw(c132.627,74.559) 133.858,75.791 134.357,75.292 139.378,70.271 cw(c137.626,68.519) 140.103,68.519 140.103,64.633 140.348,64.389 140.644,64.389 140.7,64.333 v1(140.7,64)
S2_RX_N: C413.1 J5.9 | length 22.3
  TopLayer w0.095: J5.9@91.8,79.842 92.4,79.842 92.607,79.636 92.792,79.636 92.931,79.775 v6(93,79.775)
  BottomLayer w0.095: v6(93,79.775) 93.069,79.775 93.208,79.636 96.183,79.636 ccw(c96.28,79.733) 96.28,79.596 113.464,79.596 ccw(c113.464,79.745) 113.57,79.64 ccw(c113.541,79.668) 113.581,79.668 113.716,79.803 cw(c113.759,79.76) C413.1@113.759,79.821
S2_RX_P: C403.1 J5.11 | length 22.3
  TopLayer w0.095: J5.11@91.8,79.207 92.4,79.207 92.607,79.414 92.792,79.414 92.931,79.275 v6(93,79.275)
  BottomLayer w0.095: v6(93,79.275) 93.069,79.275 93.208,79.414 96.091,79.414 ccw(c96.188,79.511) 96.188,79.374 113.464,79.374 cw(c113.464,79.224) 113.57,79.33 cw(c113.541,79.301) 113.581,79.301 113.716,79.167 ccw(c113.759,79.209) C403.1@113.759,79.149
S2_TX_N: C414.2 J5.15 | length 22.3
  TopLayer w0.095: J5.15@91.8,77.937 92.4,77.937 92.607,77.731 92.792,77.731 92.931,77.87 v6(93,77.87)
  BottomLayer w0.095: v6(93,77.87) 93.069,77.87 93.208,77.731 98.561,77.731 ccw(c98.561,78.069) 98.8,77.83 ; 98.8,77.83 cw(c99.335,77.296) 99.335,78.052 113.464,78.052 ccw(c113.464,78.201) 113.57,78.096 ccw(c113.541,78.124) 113.581,78.124 113.716,78.259 cw(c113.759,78.217) C414.2@113.759,78.277
S2_TX_P: C405.2 J5.17 | length 22.3
  TopLayer w0.095: J5.17@91.8,77.302 92.4,77.302 92.607,77.509 92.792,77.509 92.931,77.37 v6(93,77.37)
  BottomLayer w0.095: v6(93,77.37) 93.069,77.37 93.208,77.509 98.562,77.509 ccw(c98.562,78.067) 98.957,77.673 ; 98.957,77.673 cw(c99.336,77.294) 99.336,77.83 113.464,77.83 cw(c113.464,77.681) 113.57,77.786 cw(c113.541,77.758) 113.581,77.758 113.716,77.623 ccw(c113.759,77.665) C405.2@113.759,77.605
S2C_RX_N: C413.2 IC4.C16 | length 39.1
  TopLayer w0.095: v1(142.7,65) IC4.C16@143.2,64.5
  BottomLayer w0.095: C413.2@114.459,79.821 cw(c114.459,79.76) 114.502,79.803 114.625,79.68 cw(c114.596,79.652) 114.636,79.652 114.664,79.624 ccw(c114.731,79.691) 114.731,79.596 132.663,79.596 cw(c132.663,76.84) 134.607,78.793 cw(c132.663,76.84) 134.611,78.789 135.279,78.121 141.518,71.882 cw(c139.57,69.933) 142.325,69.933 142.325,64.708 142.422,64.611 142.644,64.611 142.7,64.667 v1(142.7,65)
S2C_RX_P: C403.2 IC4.D16 | length 39.1
  TopLayer w0.095: v1(142.7,64) IC4.D16@143.2,63.5
  BottomLayer w0.095: C403.2@114.459,79.149 ccw(c114.459,79.209) 114.502,79.167 114.625,79.29 ccw(c114.596,79.318) 114.636,79.318 114.664,79.346 cw(c114.731,79.279) 114.731,79.374 132.66,79.374 cw(c132.66,76.834) 134.452,78.634 cw(c132.66,76.834) 134.456,78.63 141.168,71.918 141.36,71.726 cw(c139.563,69.93) 142.103,69.93 142.103,64.616 142.33,64.389 142.644,64.389 142.7,64.333 v1(142.7,64)
S2C_TX_N: C414.1 IC4.A15 | length 35.1
  TopLayer w0.095: v1(141.7,67) IC4.A15@142.2,66.5
  BottomLayer w0.095: C414.1@114.459,78.277 cw(c114.459,78.217) 114.502,78.259 114.625,78.136 cw(c114.596,78.108) 114.636,78.108 114.664,78.08 ccw(c114.731,78.147) 114.731,78.052 132.507,78.052 cw(c132.507,75.296) 134.455,77.245 140.493,71.207 cw(c138.544,69.258) 141.3,69.258 141.3,66.7 141.389,66.611 141.644,66.611 141.7,66.667 v1(141.7,67)